# Altium PCB PCB1_done2.PcbDoc (part 1 of 3) (continued)
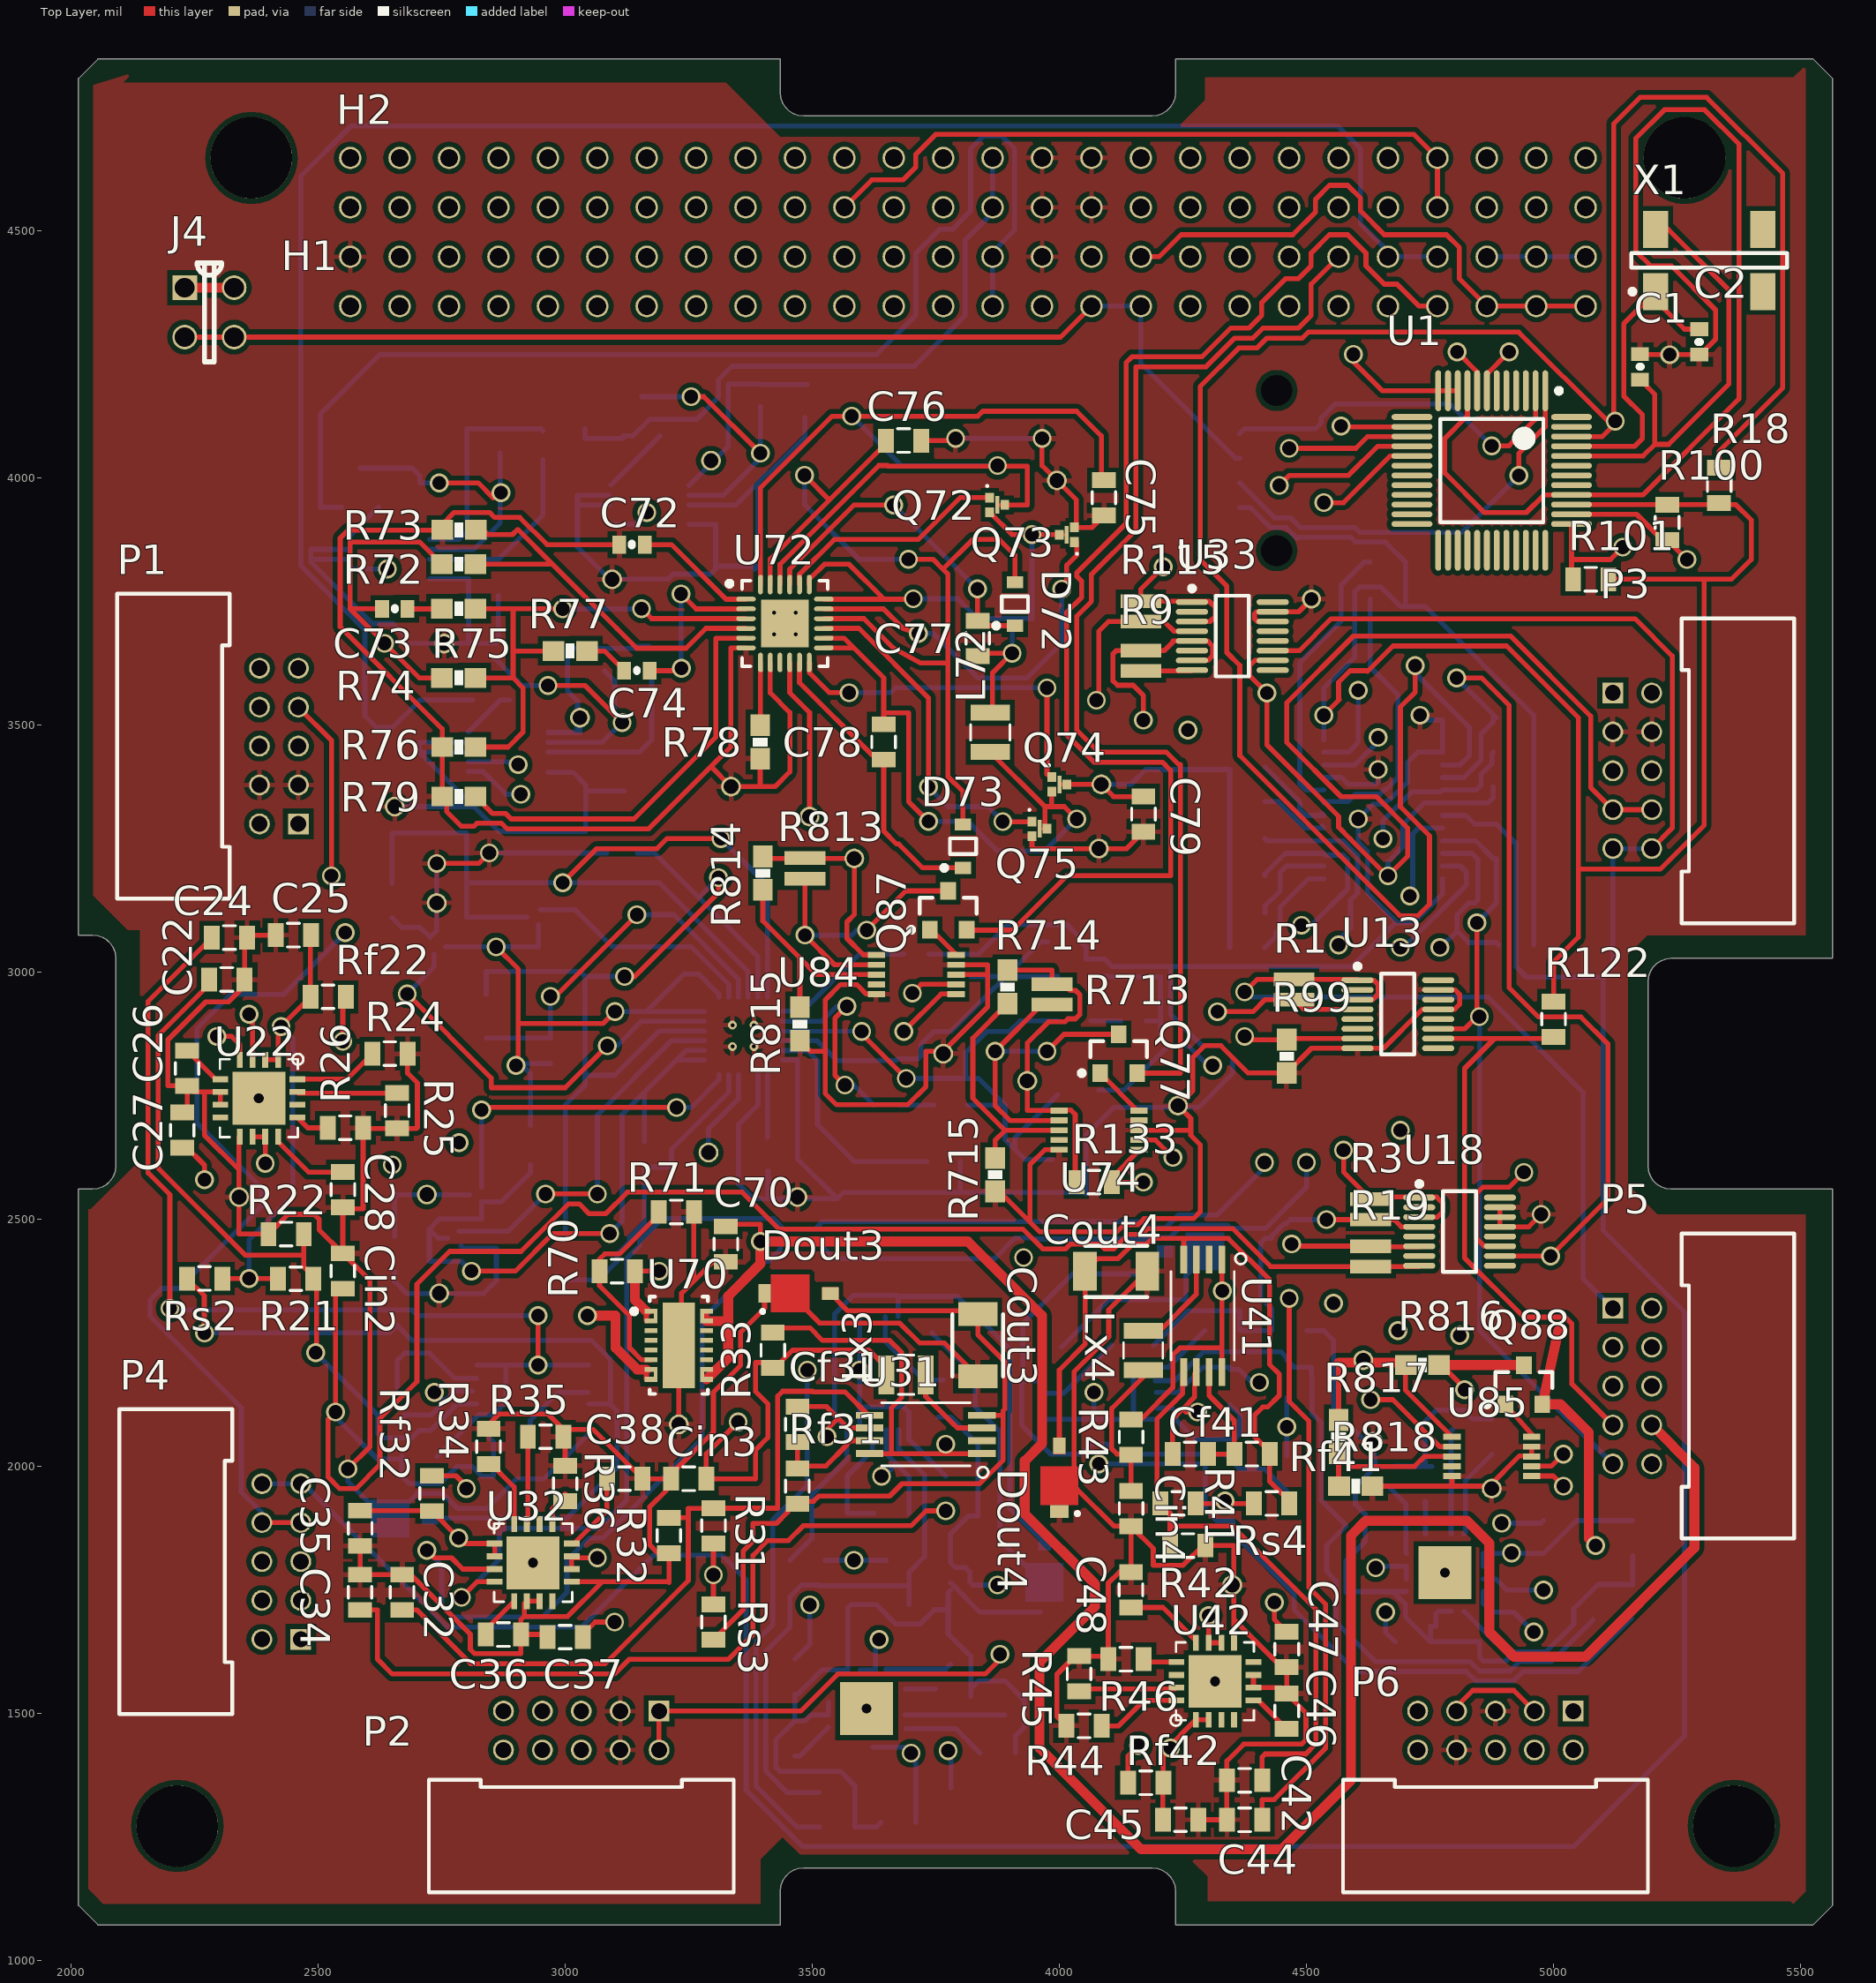
[diagram p0: Top Layer view]
## Classes and differential pairs (continued)
net class ARRAYY.6.VDD: ARRAYNX.5.VDD
net class ARRAYY.7.SDA: ARRAYNY.7.SDA
net class ARRAYY.8.SDA: ARRAYNY.7.SDA
net class ARRAYY.9.SCL: ARRAYNY.9.SCL
net class ARRAYY.10.SCL: ARRAYNY.9.SCL
net class ARRAYY: ARRAYNX.3.NEG ARRAYNX.5.VDD ARRAYNY.7.SDA ARRAYNY.9.SCL ARRAYY.1.POS
net class C1_Nets: ARRAYNX.3.NEG NetC1_2
net class C2_Nets: ARRAYNX.3.NEG NetC2_2
net class C12_Nets: ARRAYNX.3.NEG NetC12_1
net class C14_Nets: ARRAYNX.3.NEG NetC14_1
net class C15_Nets: ARRAYNX.3.NEG NetC15_1
net class C16_Nets: ARRAYNX.3.NEG NetC16_2
net class C17_Nets: ARRAYNX.3.NEG VCHRG
net class C18_Nets: ARRAYNX.3.NEG NetC18_1
net class C22_Nets: ARRAYNX.3.NEG NetC22_1
net class C24_Nets: ARRAYNX.3.NEG NetC24_1
net class C25_Nets: ARRAYNX.3.NEG NetC25_1
net class C26_Nets: ARRAYNX.3.NEG NetC26_2
net class C27_Nets: ARRAYNX.3.NEG VCHRG
net class C28_Nets: ARRAYNX.3.NEG NetC28_1
net class C32_Nets: ARRAYNX.3.NEG NetC32_1
net class C34_Nets: ARRAYNX.3.NEG NetC34_1
net class C35_Nets: ARRAYNX.3.NEG NetC35_1
net class C36_Nets: ARRAYNX.3.NEG NetC36_2
net class C37_Nets: ARRAYNX.3.NEG VCHRG
net class C38_Nets: ARRAYNX.3.NEG NetC38_1
net class C42_Nets: ARRAYNX.3.NEG NetC42_1
net class C44_Nets: ARRAYNX.3.NEG NetC44_1
net class C45_Nets: ARRAYNX.3.NEG NetC45_1
net class C46_Nets: ARRAYNX.3.NEG NetC46_2
net class C47_Nets: ARRAYNX.3.NEG VCHRG
net class C48_Nets: ARRAYNX.3.NEG NetC48_1
net class C52_Nets: ARRAYNX.3.NEG NetC52_1
net class C54_Nets: ARRAYNX.3.NEG NetC54_1
net class C55_Nets: ARRAYNX.3.NEG NetC55_1
net class C56_Nets: ARRAYNX.3.NEG NetC56_2
net class C57_Nets: ARRAYNX.3.NEG VCHRG
net class C58_Nets: ARRAYNX.3.NEG NetC58_1
net class C70_Nets: ARRAYNX.3.NEG ARRAYNZ.8.NC
net class C72_Nets: ARRAYNX.3.NEG NetC72_2
net class C73_Nets: 3V3 NetC73_2
net class C74_Nets: NetC74_1 NetC74_2
net class C75_Nets: ARRAYNX.3.NEG ARRAYNZ.10.COM
net class C76_Nets: ARRAYNX.3.NEG NetC76_1
net class C77_Nets: NetC77_1 NetC77_2
net class C78_Nets: NetC78_1 NetC78_2
net class C79_Nets: 3V3 ARRAYNX.3.NEG
net class C82_Nets: ARRAYNX.3.NEG NetC82_2
net class C83_Nets: 5V NetC83_2
net class C84_Nets: NetC84_1 NetC84_2
net class C85_Nets: ARRAYNX.3.NEG ARRAYNZ.10.COM
net class C86_Nets: ARRAYNX.3.NEG NetC86_1
net class C87_Nets: NetC87_1 NetC87_2
net class C88_Nets: NetC88_1 NetC88_2
net class C89_Nets: 5V ARRAYNX.3.NEG
net class Cf11_Nets: NetCf11_1 NetCf11_2
net class Cf21_Nets: NetCf21_1 NetCf21_2
net class Cf31_Nets: NetCf31_1 NetCf31_2
net class Cf41_Nets: NetCf41_1 NetCf41_2
net class Cf51_Nets: NetCf51_1 NetCf51_2
net class Cin1_Nets: ARRAYNX.3.NEG SOLARX
net class Cin2_Nets: ARRAYNX.3.NEG SOLARNX
net class Cin3_Nets: ARRAYNX.3.NEG SOLARY
net class Cin4_Nets: ARRAYNX.3.NEG SOLARNY
net class Cin5_Nets: ARRAYNX.3.NEG SOLARNZ
net class Cout1_Nets: ARRAYNX.3.NEG NetCout1_2
net class Cout2_Nets: ARRAYNX.3.NEG NetCout2_2
net class Cout3_Nets: ARRAYNX.3.NEG NetCout3_2
net class Cout4_Nets: ARRAYNX.3.NEG NetCout4_2
net class Cout5_Nets: ARRAYNX.3.NEG NetCout5_2
net class D72_Nets: NetC76_1 NetC77_1
net class D73_Nets: NetC76_1 NetC78_1
net class D82_Nets: NetC86_1 NetC87_1
net class D83_Nets: NetC86_1 NetC88_1
net class Dout1_Nets: ARRAYNX.3.NEG NetCout1_2
net class Dout2_Nets: ARRAYNX.3.NEG NetCout2_2
net class Dout3_Nets: ARRAYNX.3.NEG NetCout3_2
net class Dout4_Nets: ARRAYNX.3.NEG NetCout4_2
net class Dout5_Nets: ARRAYNX.3.NEG NetCout5_2
net class H1_Nets: 1V 3V3 5V ACS3.3V ARRAYNX.3.NEG "CTS MHX" "DSR MHX" "DTR MHX" FAULT FIPEX_3.3V FIPEX_5V IO0 IO1 IO2 IO3 IO4 IO5 IO6 IO7 IO8 IO9 IO10 IO11 IO12 IO13 IO14 IO15 IO16 IO17 IO18 IO19 IO20 IO21 NetH1_32 NetH1_41 NetH1_43 PA22 PA30 PA31 PB26 PTT SWITCHES.10.COM.COM WKUP
net class H2_Nets: 5V ACS_5V ARRAYNX.3.NEG ARRAYNZ.8.NC DIR-X DIR-Y DIR-Z IO24 IO25 IO26 IO28 IO29 IO30 IO31 IO32 IO33 IO34 IO35 IO38 IO40 IO41 IO42 IO43 IO44 IO45 IO46 IO47 PA0 PA1 PA2 PA3 PC11 PC16 PC17 PC18 PC19 PC20 PC21 PC22 PC23 PC24 PC25 PC26 PC27 PC28
net class L72_Nets: NetC77_2 NetC78_2
net class L82_Nets: NetC87_2 NetC88_2
net class Lx1_Nets: NetLx1_2 SOLARX
net class Lx2_Nets: NetLx2_2 SOLARNX
net class Lx3_Nets: NetLx3_2 SOLARY
net class Lx4_Nets: NetLx4_2 SOLARNY
net class Lx5_Nets: NetLx5_2 SOLARNZ
net class P1_Nets: ARRAYNX.3.NEG ARRAYNX.5.VDD ARRAYNX.7.SDA ARRAYNX.9.SCL ARRAYX.1.POS
net class P2_Nets: ARRAYNX.1.POS ARRAYNX.3.NEG ARRAYNX.5.VDD ARRAYNX.7.SDA ARRAYNX.9.SCL
net class P3_Nets: ARRAYNX.3.NEG ARRAYNX.5.VDD ARRAYNY.7.SDA ARRAYNY.9.SCL ARRAYY.1.POS
net class P4_Nets: ARRAYNX.5.VDD ARRAYNY.1.POS ARRAYNY.3.NEG ARRAYNY.7.SDA ARRAYNY.9.SCL
net class P5_Nets: ARRAYNX.5.VDD ARRAYNZ.1.POS ARRAYNZ.3.NEG ARRAYNZ.7.SDA ARRAYNZ.8.NC ARRAYNZ.9.SCL ARRAYNZ.10.COM NetP5_2 NetP5_4 NetP5_6
net class P6_Nets: 5V ANTENNA ARRAYNX.3.NEG FPXRTN SWITCHES.3.NC SWITCHES.6.NO SWITCHES.9.NO SWITCHES.10.COM.COM
net class Q72_Nets: ARRAYNZ.10.COM NetC77_2 NetQ72_1
net class Q73_Nets: ARRAYNX.3.NEG NetC77_2 NetQ73_1
net class Q74_Nets: 3V3 NetC78_2 NetQ74_1
net class Q75_Nets: ARRAYNX.3.NEG NetC78_2 NetQ75_1
net class Q76_Nets: ACS3.3V NetQ76_1 NetQ76_3
net class Q77_Nets: FIPEX_3.3V NetQ77_1 NetQ77_3
net class Q78_Nets: NetQ78_1 NetQ78_3 PTT
net class Q82_Nets: ARRAYNZ.10.COM NetC87_2 NetQ82_1
net class Q83_Nets: ARRAYNX.3.NEG NetC87_2 NetQ83_1
net class Q84_Nets: 5V NetC88_2 NetQ84_1
net class Q85_Nets: ARRAYNX.3.NEG NetC88_2 NetQ85_1
net class Q86_Nets: ACS_5V NetQ86_1 NetQ86_3
net class Q87_Nets: FIPEX_5V NetQ87_1 NetQ87_3
net class Q88_Nets: ANTENNA NetQ88_1 NetQ88_3
net class R1_Nets: ARRAYNZ.1.POS SOLARNZ
net class R3_Nets: ARRAYX.1.POS SOLARX
net class R9_Nets: ARRAYNY.1.POS NetR9_2
net class R11_Nets: NetC12_1 NetC15_1
net class R12_Nets: ARRAYNX.3.NEG NetC12_1
net class R13_Nets: NetC14_1 SOLARX
net class R14_Nets: ARRAYNX.3.NEG NetR14_1
net class R15_Nets: ARRAYNX.3.NEG NetR15_1
net class R16_Nets: ARRAYNX.3.NEG NetR16_1
net class R18_Nets: 3V3 RESET
net class R19_Nets: ARRAYNX.1.POS SOLARNX
net class R21_Nets: NetC22_1 NetC25_1
net class R22_Nets: ARRAYNX.3.NEG NetC22_1
net class R23_Nets: NetC24_1 SOLARNX
net class R24_Nets: ARRAYNX.3.NEG NetR24_1
net class R25_Nets: ARRAYNX.3.NEG NetR25_1
net class R26_Nets: ARRAYNX.3.NEG NetR26_1
net class R31_Nets: NetC32_1 NetC35_1
net class R32_Nets: ARRAYNX.3.NEG NetC32_1
net class R33_Nets: NetC34_1 SOLARY
net class R34_Nets: ARRAYNX.3.NEG NetR34_1
net class R35_Nets: ARRAYNX.3.NEG NetR35_1
net class R36_Nets: ARRAYNX.3.NEG NetR36_1
net class R41_Nets: NetC42_1 NetC45_1
net class R42_Nets: ARRAYNX.3.NEG NetC42_1
net class R43_Nets: NetC44_1 SOLARNY
net class R44_Nets: ARRAYNX.3.NEG NetR44_1
net class R45_Nets: ARRAYNX.3.NEG NetR45_1
net class R46_Nets: ARRAYNX.3.NEG NetR46_1
net class R51_Nets: NetC52_1 NetC55_1
net class R52_Nets: ARRAYNX.3.NEG NetC52_1
net class R53_Nets: NetC54_1 SOLARNZ
net class R54_Nets: ARRAYNX.3.NEG NetR54_1
net class R55_Nets: ARRAYNX.3.NEG NetR55_1
net class R56_Nets: ARRAYNX.3.NEG NetR56_1
net class R70_Nets: 5VEXT NetR70_1
net class R71_Nets: ARRAYNX.3.NEG NetR70_1
net class R72_Nets: 3V3 NetR72_1
net class R73_Nets: ARRAYNX.3.NEG NetR72_1
net class R74_Nets: 3V3 NetR74_1
net class R75_Nets: NetC73_2 NetR74_1
net class R76_Nets: ARRAYNX.3.NEG NetR74_1
net class R77_Nets: NetC74_1 NetR74_1
net class R78_Nets: ARRAYNX.3.NEG NetR78_2
net class R79_Nets: ARRAYNX.3.NEG NetR79_2
net class R82_Nets: 5V NetR82_1
net class R83_Nets: ARRAYNX.3.NEG NetR82_1
net class R84_Nets: 5V NetR84_1
net class R85_Nets: NetC83_2 NetR84_1
net class R86_Nets: ARRAYNX.3.NEG NetR84_1
net class R87_Nets: NetC84_1 NetR84_1
net class R88_Nets: ARRAYNX.3.NEG NetR88_2
net class R89_Nets: ARRAYNX.3.NEG NetR89_2
net class R99_Nets: ARRAYNX.3.NEG FPXRTN
net class R100_Nets: 3V3 SCA
net class R101_Nets: 3V3 SDA
net class R102_Nets: 3V3 ARRAYNX.7.SDA
net class R103_Nets: 3V3 ARRAYNX.9.SCL
net class R112_Nets: 3V3 ARRAYNY.7.SDA
net class R113_Nets: 3V3 ARRAYNY.9.SCL
net class R115_Nets: ARRAYY.1.POS SOLARY
net class R122_Nets: 3V3 ARRAYNZ.7.SDA
net class R123_Nets: 3V3 ARRAYNZ.9.SCL
net class R132_Nets: 3V3 SD3
net class R133_Nets: 3V3 SC3
net class R142_Nets: 3V3 SC4
net class R143_Nets: 3V3 SD4
net class R152_Nets: 3V3 SC5
net class R153_Nets: 3V3 SD5
net class R162_Nets: 3V3 SC6
net class R163_Nets: 3V3 SD6
net class R172_Nets: 3V3 SC7
net class R173_Nets: 3V3 SD7
net class R710_Nets: 3V3 NetQ76_3
net class R711_Nets: 3V3 NetR711_1
net class R712_Nets: ARRAYNX.3.NEG NetR711_1
net class R713_Nets: 3V3 NetQ77_3
net class R714_Nets: 3V3 NetR714_1
net class R715_Nets: ARRAYNX.3.NEG NetR714_1
net class R716_Nets: 3V3 NetQ78_3
net class R717_Nets: 3V3 NetR717_1
net class R718_Nets: ARRAYNX.3.NEG NetR717_1
net class R810_Nets: 5V NetQ86_3
net class R811_Nets: 5V NetR811_1
net class R812_Nets: ARRAYNX.3.NEG NetR811_1
net class R813_Nets: 5V NetQ87_3
net class R814_Nets: 5V NetR814_1
net class R815_Nets: ARRAYNX.3.NEG NetR814_1
net class R816_Nets: ARRAYNZ.10.COM NetQ88_3
net class R817_Nets: ARRAYNZ.10.COM NetR817_1
net class R818_Nets: ARRAYNX.3.NEG NetR817_1
net class Rf11_Nets: NetCf11_1 NetCout1_2
net class Rf12_Nets: NetC15_1 NetCf11_2
net class Rf21_Nets: NetCf21_1 NetCout2_2
net class Rf22_Nets: NetC25_1 NetCf21_2
net class Rf31_Nets: NetCf31_1 NetCout3_2
net class Rf32_Nets: NetC35_1 NetCf31_2
net class Rf41_Nets: NetCf41_1 NetCout4_2
net class Rf42_Nets: NetC45_1 NetCf41_2
net class Rf51_Nets: NetCf51_1 NetCout5_2
net class Rf52_Nets: NetC55_1 NetCf51_2
net class Rs1_Nets: NetC15_1 NetCout1_2
net class Rs2_Nets: NetC25_1 NetCout2_2
net class Rs3_Nets: NetC35_1 NetCout3_2
net class Rs4_Nets: NetC45_1 NetCout4_2
net class Rs5_Nets: NetC55_1 NetCout5_2
net class SWITCHES.1.COM: ANTENNA
net class SWITCHES.3.NC: SWITCHES.3.NC
net class SWITCHES.7.COM: SWITCHES.3.NC
net class SWITCHES.8.NC: ARRAYNX.3.NEG
net class SWITCHES.10.COM: SWITCHES.10.COM.COM
net class SWITCHES: ANTENNA ARRAYNX.3.NEG SWITCHES.2.COM SWITCHES.3.NC SWITCHES.4.NC SWITCHES.6.NO SWITCHES.8 SWITCHES.8.NC SWITCHES.9.NO SWITCHES.10 SWITCHES.10.COM
net class U1_Nets: 3V3 ARRAYNX.3.NEG NetC1_2 NetC2_2 NetU1_3 NetU1_4 NetU1_5 NetU1_6 NetU1_13 NetU1_20 NetU1_21 NetU1_22 NetU1_23 NetU1_24 NetU1_25 NetU1_26 NetU1_27 NetU1_28 NetU1_29 NetU1_30 NetU1_31 NetU1_32 NetU1_33 NetU1_34 NetU1_35 NetU1_36 NetU1_43 RESET RST SCA SDA ST1NX ST1NY ST1NZ ST1X ST1Y ST2NX ST2NY ST2NZ ST2X ST2Y STLINK-SWIM UART_RX UART_TX
net class U2_Nets: 3V3 ARRAYNX.3.NEG ARRAYNX.7.SDA ARRAYNX.9.SCL ARRAYNY.7.SDA ARRAYNY.9.SCL ARRAYNZ.7.SDA ARRAYNZ.9.SCL RESET SC3 SC4 SC5 SC6 SC7 SCA SD3 SD4 SD5 SD6 SD7 SDA
net class U11_Nets: NetC12_1 NetC14_1 NetCf11_1 NetCf11_2 NetCout1_2 NetLx1_2 NetU11_2
net class U12_Nets: ARRAYNX.3.NEG NetC15_1 NetC16_2 NetC18_1 NetR14_1 NetR15_1 NetR16_1 NetU12_8 NetU12_14 ST1X ST2X VCHRG
net class U13_Nets: ARRAYNX.3.NEG ARRAYNZ.1.POS ARRAYNZ.7.SDA ARRAYNZ.9.SCL FPXRTN NetU13_2 NetU13_5 NetU13_6 NetU13_9 NetU13_12 NetU13_14 NetU13_16 SOLARNZ
net class U18_Nets: ARRAYNX.1.POS ARRAYNX.3.NEG ARRAYNX.7.SDA ARRAYNX.9.SCL ARRAYX.1.POS NetU18_2 NetU18_5 NetU18_9 NetU18_12 NetU18_16 SOLARNX SOLARX
net class U21_Nets: NetC22_1 NetC24_1 NetCf21_1 NetCf21_2 NetCout2_2 NetLx2_2 NetU21_2
net class U22_Nets: ARRAYNX.3.NEG NetC25_1 NetC26_2 NetC28_1 NetR24_1 NetR25_1 NetR26_1 NetU22_8 NetU22_14 ST1NX ST2NX VCHRG
net class U31_Nets: NetC32_1 NetC34_1 NetCf31_1 NetCf31_2 NetCout3_2 NetLx3_2 NetU31_2
net class U32_Nets: ARRAYNX.3.NEG NetC35_1 NetC36_2 NetC38_1 NetR34_1 NetR35_1 NetR36_1 NetU32_8 NetU32_14 ST1Y ST2Y VCHRG
net class U33_Nets: ARRAYNX.3.NEG ARRAYNY.1.POS ARRAYNY.7.SDA ARRAYNY.9.SCL ARRAYY.1.POS NetR9_2 NetU33_2 NetU33_6 NetU33_9 NetU33_12 NetU33_13 NetU33_16 SOLARY
net class U41_Nets: NetC42_1 NetC44_1 NetCf41_1 NetCf41_2 NetCout4_2 NetLx4_2 NetU41_2
net class U42_Nets: ARRAYNX.3.NEG NetC45_1 NetC46_2 NetC48_1 NetR44_1 NetR45_1 NetR46_1 NetU42_3 NetU42_4 NetU42_8 NetU42_14 VCHRG
net class U51_Nets: NetC52_1 NetC54_1 NetCf51_1 NetCf51_2 NetCout5_2 NetLx5_2 NetU51_2
net class U52_Nets: ARRAYNX.3.NEG NetC55_1 NetC56_2 NetC58_1 NetR54_1 NetR55_1 NetR56_1 NetU52_3 NetU52_4 NetU52_8 NetU52_14 VCHRG
net class U70_Nets: 5VEXT ARRAYNX.3.NEG ARRAYNZ.8.NC NetR70_1 NetU70_3 NetU70_4 NetU70_5 NetU70_11 NetU70_12 NetU70_13 NetU70_14 VCHRG
net class U72_Nets: 3V3 ARRAYNX.3.NEG ARRAYNZ.10.COM NetC72_2 NetC74_2 NetC76_1 NetC77_1 NetC77_2 NetC78_1 NetC78_2 NetQ72_1 NetQ73_1 NetQ74_1 NetQ75_1 NetR72_1 NetR74_1 NetR78_2 NetR79_2 NetU72_9
net class U73_Nets: 3V3 ARRAYNX.3.NEG NetQ76_1 NetQ76_3 NetR711_1 NetU73_4 NetU73_6 SD3
net class U74_Nets: 3V3 ARRAYNX.3.NEG NetQ77_1 NetQ77_3 NetR714_1 NetU74_4 SC3 SD3
net class U75_Nets: 3V3 ARRAYNX.3.NEG NetQ78_1 NetQ78_3 NetR717_1 NetU75_4 SC3 SD3
net class U82_Nets: 5V ARRAYNX.3.NEG ARRAYNZ.10.COM NetC82_2 NetC84_2 NetC86_1 NetC87_1 NetC87_2 NetC88_1 NetC88_2 NetQ82_1 NetQ83_1 NetQ84_1 NetQ85_1 NetR82_1 NetR84_1 NetR88_2 NetR89_2 NetU82_9
net class U83_Nets: 5V ARRAYNX.3.NEG NetQ86_1 NetQ86_3 NetR811_1 NetU83_4 NetU83_7 SC5
net class U84_Nets: 5V ARRAYNX.3.NEG NetQ87_1 NetQ87_3 NetR814_1 NetU84_4 SC5 SD5
net class U85_Nets: ARRAYNX.3.NEG ARRAYNZ.10.COM NetQ88_1 NetQ88_3 NetR817_1 NetU85_4 SC5 SD5
net class X1_Nets: NetC1_2 NetC2_2

## Components (designator, comment, footprint, x,y, rotation, side; value= is the part's Value field where it differs from the comment)
C1 "6.8pF" 0402-CAP 5175,4225 r270 top
C2 "6.8pF" 0402-CAP 5295,4275 r90 top
C12 "1 nF" 0805 5080,1725 r90 bottom
C14 "1 nF" 0805 5160,1725 r90 bottom
C15 "47 uF" 0805 5160,1855 r270 bottom
C16 "10 nF" 0805 4845,1645 r0 bottom
C17 "4.7 uF" 0805 4715,1645 r0 bottom
C18 "1 nF" 0805 4635,1955 r180 bottom
C22 "1 nF" 0805 2315,2985 r0 top
C24 "1 nF" 0805 2320.43,3070 r0 top
C25 "47 uF" 0805 2450,3075 r180 top
C26 "10 nF" 0805 2235,2805 r90 top
C27 "4.7 uF" 0805 2225,2680 r90 top
C28 "1 nF" 0805 2550,2560 r270 top
C32 "1 nF" 0805 2670,1745 r90 top
C34 "1 nF" 0805 2585,1745 r90 top
C35 "47 uF" 0805 2585,1875 r270 top
C36 "10 nF" 0805 2875,1660 r180 top
C37 "4.7 uF" 0805 3000,1655 r180 top
C38 "1 nF" 0805 3120,1975 r0 top
C42 "1 nF" 0805 4375,1365 r180 top
C44 "1 nF" 0805 4375,1285 r180 top
C45 "47 uF" 0805 4245,1285 r0 top
C46 "10 nF" 0805 4460,1505 r270 top
C47 "4.7 uF" 0805 4460,1630 r270 top
C48 "1 nF" 0805 4145,1750 r90 top
C52 "1 nF" 0805 3545,1340 r0 bottom
C54 "1 nF" 0805 3550,1270 r0 bottom
C55 "47 uF" 0805 3675,1280 r180 bottom
C56 "10 nF" 0805 3465,1450 r270 bottom
C57 "4.7 uF" 0805 3465,1575 r270 bottom
C58 "1 nF" 0805 3775,1635 r90 bottom
C70 "4.7 uF" 0805 3325,2450 r270 top
C72 "1nF" 0402-CAP 3135,3865 r0 top
C73 "270pF" 0402-CAP 2655,3735 r0 top
C74 "1nF" 0402-CAP 3145,3610 r0 top
C75 "22uF" 0805 4090,3960 r270 top
C76 "4.7uF" 0805 3684.53,4075.47 r0 top
C77 "0.22uF" 0805 3834.53,3675.47 r270 top
C78 "0.22uF" 0805 3644.53,3465.47 r90 top
C79 "100uF" 0805 4170,3320 r270 top
C82 "1nF" 0402-CAP 3710.94,3036.54 r180 bottom
C83 "270pF" 0402-CAP 4150.16,2901.22 r180 bottom
C84 "1nF" 0402-CAP 3650.16,2731.22 r180 bottom
C85 "22uF" 0805 2650.94,3146.54 r270 bottom
C86 "4.7uF" 0805 3120.16,3241.22 r180 bottom
C87 "0.22uF" 0805 2970.16,2841.22 r270 bottom
C88 "0.22uF" 0805 3160.16,2631.22 r90 bottom
C89 "100uF" 0805 2655,2430 r270 bottom
Cf11 "1 uF" 0805 4345,2160 r90 bottom
Cf21 "1 uF" 0805 2660,2125 r270 bottom
Cf31 "1 uF" 0805 3470,2085 r90 top
Cf41 "1 uF" 0805 4265,2025 r180 top
Cf51 "1 uF" 0805 3660,1905 r0 bottom
Cin1 "10 uF" 0805 4465,2275 r0 bottom
Cin2 "10 uF" 0805 2550,2395 r90 top
Cin3 "10 uF" 0805 3250,1975 r180 top
Cin4 "10 uF" 0805 4145,1915 r270 top
Cin5 "10 uF" 0805 3780,1800 r270 bottom
Cout1 "15 uF" 1210 4005,2305 r90 bottom
Cout2 "15 uF" 1210 3050,2005 r270 bottom
Cout3 "15 uF" 1210 3835,2245 r90 top
Cout4 "15 uF" 1210 4115,2395 r180 top
Cout5 "15 uF" 1210 3805,2270 r0 bottom
D72 "NSVBAT54HT1G" ONSC-SOD-323-2-477-02_V 3910,3745 r90 top
D73 "NSVBAT54HT1G" ONSC-SOD-323-2-477-02_V 3805,3255 r90 top
D82 "NSVBAT54HT1G" ONSC-SOD-323-2-477-02_V 2840.16,2911.22 r90 bottom
D83 "NSVBAT54HT1G" ONSC-SOD-323-2-477-02_V 3000.16,2421.22 r90 bottom
Dout1 "Diode_Zener" STmite 4255,2435 r0 bottom
Dout2 "Diode_Zener" STmite 2685,1895 r180 bottom
Dout3 "Diode_Zener" STmite 3495,2350 r180 top
Dout4 "Diode_Zener" STmite 4000,2000 r270 top
Dout5 "Diode_Zener" STmite 3970,1805 r270 bottom
H1 "" SAMTEC_ESQ_126_39_G_D 2565,4347.6 r90 top
H2 "" SAMTEC_ESQ_126_39_G_D 2565,4547.6 r90 top
J3 "ERNI214017" ERNI2014017 4365,3940 r90 bottom
J4 "Connecter" Connecter 2230,4385 r0 top
L72 "4.7uH" 1007 3860,3485 r0 top
L82 "3.3uH" 1007 2930,2650 r180 bottom
Lx1 "10 uH" 1007 4145,2255 r90 bottom
Lx2 "10 uH" 1007 2890,2040 r270 bottom
Lx3 "10 uH" 1007 3690,2185 r90 top
Lx4 "10 uH" 1007 4170,2235 r180 top
Lx5 "10 uH" 1007 3755,2140 r0 bottom
P1 "T2M-105-01-L-D-RA" SMTC-T2M-105-01-X-D-RA 2460,3300 r90 top
P2 "T2M-105-01-L-D-RA" SMTC-T2M-105-01-X-D-RA 3190,1505 r180 top
P3 "T2M-105-01-L-D-RA" SMTC-T2M-105-01-X-D-RA 5120,3565 r270 top
P4 "T2M-105-01-L-D-RA" SMTC-T2M-105-01-X-D-RA 2465,1650 r90 top
P5 "T2M-105-01-L-D-RA" SMTC-T2M-105-01-X-D-RA 5120,2320 r270 top
P6 "T2M-105-01-L-D-RA" SMTC-T2M-105-01-X-D-RA 5040,1505 r180 top
Q72 "PMXB40UNEZ" NXP-SOT1215_M 3874.53,3945.47 r0 top
Q73 "PMXB40UNEZ" NXP-SOT1215_M 4015,3885 r180 top
Q74 "PMXB40UNEZ" NXP-SOT1215_M 4000,3380 r0 top
Q75 "PMXB40UNEZ" NXP-SOT1215_M 3960,3290 r0 top
Q76 "NTR4501NT1G" ONSC-SOT-23-3-318-08_V 2585,3980.47 r90 bottom
Q77 "NTR4501NT1G" ONSC-SOT-23-3-318-08_V 4120,2835 r90 top
Q78 "NTR4501NT1G" ONSC-SOT-23-3-318-08_V 2850,3590 r90 bottom
Q82 "PMXB40UNEZ" NXP-SOT1215_M 2930.16,3111.22 r180 bottom
Q83 "PMXB40UNEZ" NXP-SOT1215_M 2750.16,3051.22 r0 bottom
Q84 "PMXB40UNEZ" NXP-SOT1215_M 2815,2550 r180 bottom
Q85 "PMXB40UNEZ" NXP-SOT1215_M 2770.16,2461.22 r180 bottom
Q86 "NTR4501NT1G" ONSC-SOT-23-3-318-08_V 3155,4125 r90 bottom
Q87 "NTR4501NT1G" ONSC-SOT-23-3-318-08_V 3775,3125 r90 top
Q88 "NTR4501NT1G" ONSC-SOT-23-3-318-08_V 4940,2165 r90 top
R1 "0.51" RESC1220X06N 4475,2965 r270 top
R3 "0.51" RESC1220X06N 4630,2520 r270 top
R9 "0.51" RESC1220X06N 4165,3630 r270 top
R11 "1.5M" 0805 4470,2175 r270 bottom
R12 "560K" 0805 4580,1845 r90 bottom
R13 "0" 0805 4330,2275 r0 bottom
R14 "15K" 0805 4875,2060 r90 bottom
R15 "15K" 0805 4760,2075 r180 bottom
R16 "15K" 0805 4740,1965 r90 bottom
R18 "2.2K" 0805 5335,3985 r270 top
R19 "0.51" RESC1220X06N 4630,2425 r270 top
R21 "1.5M" 0805 2455,2380 r180 top
R22 "560K" 0805 2435,2470 r0 top
R23 "0" 0805 2700,2015 r180 bottom
R24 "15K" 0805 2645,2835 r0 top
R25 "15K" 0805 2660,2720 r270 top
R26 "15K" 0805 2555,2685 r0 top
R31 "1.5M" 0805 3300,1880 r270 top
R32 "560K" 0805 3210,1860 r90 top
R33 "0" 0805 3420,2235 r270 top
R34 "15K" 0805 2845,2040 r90 top
R35 "15K" 0805 2960,2060 r0 top
R36 "15K" 0805 3000,1965 r90 top
R41 "1.5M" 0805 4240,1925 r0 top
R42 "560K" 0805 4260,1840 r180 top
R43 "0" 0805 4145,2059.43 r270 top
R44 "15K" 0805 4050,1475 r180 top
R45 "15K" 0805 4040,1580 r90 top
R46 "15K" 0805 4135,1610 r180 top
R51 "1.5M" 0805 3685,1810 r180 bottom
R52 "560K" 0805 3660,1720 r0 bottom
R53 "0" 0805 3800,1975 r0 bottom
R54 "15K" 0805 3875,1420 r0 bottom
R55 "15K" 0805 3890,1530 r90 bottom
R56 "15K" 0805 3785,1540 r0 bottom
R70 "100K" 0805 3105,2395 r0 top
R71 "21.5K" 0805 3225,2515 r180 top
R72 "205k" 0603-RES 2784.53,3825.47 r180 top
R73 "121k" 0603-RES 2785,3895 r0 top
R74 "205k" 0603-RES 2784.53,3595.47 r180 top
R75 "1.3k" 0603-RES 2784.53,3735.47 r180 top
R76 "121k" 0603-RES 2784.53,3455.47 r0 top
R77 "12k" 0603-RES 3010,3650 r0 top
R78 "59k" 0603-RES 3394.53,3465.47 r90 top
R79 "42.2k" 0603-RES 2784.53,3355.47 r0 top
R82 "205k" 0603-RES 4030.16,2991.22 r0 bottom
R83 "66.5k" 0603-RES 4010.16,3061.22 r180 bottom
R84 "205k" 0603-RES 4045,2765 r0 bottom
R85 "1.3k" 0603-RES 4030.16,2901.22 r0 bottom
R86 "66.5k" 0603-RES 4020.16,2621.22 r180 bottom
R87 "12k" 0603-RES 3780.16,2731.22 r180 bottom
R88 "59k" 0603-RES 3410.16,2631.22 r90 bottom
R89 "42.2k" 0603-RES 3765.94,2616.54 r180 bottom
R99 "330" 0603-RES 4460,2830 r270 top
R100 "2.8K" 0805 5230,3910 r90 top
R101 "2.8K" 0805 5075,3795 r0 top
R102 "2.8K" 0805 4920,3515 r180 bottom
R103 "2.8K" 0805 4920,3445 r180 bottom
R112 "2.8K" 0805 4920,3370 r180 bottom
R113 "2.8K" 0805 4920,3300 r180 bottom
R115 "0.51" RESC1220X06N 4165,3730 r270 top
R122 "2.8K" 0805 5000,2905 r270 top
R123 "2.8K" 0805 4920,3230 r180 bottom
R132 "2.8K" 0805 4925,3055 r180 bottom
R133 "2.8K" 0805 4070,2575 r0 top
R142 "2.8K" 0805 4380,3120 r0 bottom
R143 "2.8K" 0805 4380,3050 r0 bottom
R152 "2.8K" 0805 4380,3265 r0 bottom
R153 "2.8K" 0805 4380,3195 r0 bottom
R162 "2.8K" 0805 4380,3410 r0 bottom
R163 "2.8K" 0805 4380,3340 r0 bottom
R172 "2.8K" 0805 4665,3830 r180 bottom
R173 "2.8K" 0805 4665,3740 r180 bottom
R710 "0.24" RESC1220X06N 2865,4075 r90 bottom
R711 "10k" 0603-RES 2955,4070.47 r90 bottom
R712 "15k" 0603-RES 2865,3795.47 r90 bottom
R713 "0.24" RESC1220X06N 3985,2955 r90 top
R714 "10k" 0603-RES 3895,2970 r90 top
R715 "15k" 0603-RES 3870,2590 r90 top
R716 "0.24" RESC1220X06N 3080,3630 r90 bottom
R717 "10k" 0603-RES 3170,3625 r90 bottom
R718 "15k" 0603-RES 3120,3400 r90 bottom
R810 "0.24" RESC1220X06N 3395,4165 r90 bottom
R811 "10k" 0603-RES 3490,4155 r90 bottom
R812 "17k" 0603-RES 3390,3855 r90 bottom
R813 "0.24" RESC1220X06N 3485,3210 r90 top
R814 "10k" 0603-RES 3400,3200 r90 top
R815 "17k" 0603-RES 3475,2895 r90 top
R816 "0603" 0603-RES 4735,2205 r180 top
R817 "10k" 0603-RES 4565,2060 r90 top
R818 "17k" 0603-RES 4600,1960 r180 top
Rf11 "1K" 0805 4365,2030 r90 bottom
Rf12 "1K" 0805 4980,1855 r90 bottom
Rf21 "1K" 0805 2660,2250 r270 bottom
Rf22 "1K" 0805 2520,2950 r0 top
Rf31 "1K" 0805 3470,1960 r90 top
Rf32 "1K" 0805 2730,1945 r90 top
Rf41 "1K" 0805 4390,2025 r180 top
Rf42 "1K" 0805 4175,1360 r180 top
Rf51 "1K" 0805 3535,1905 r0 bottom
Rf52 "1K" 0805 3745,1350 r0 bottom
Rs1 "0.01" 0805 4460,1985 r90 bottom
Rs2 "0.01" 0805 2270,2380 r0 top
Rs3 "0.01" 0805 3300,1685 r90 top
Rs4 "0.01" 0805 4430,1925 r180 top
Rs5 "0.01" 0805 3490,1810 r0 bottom
U1 "STM8L152C6T6" LQFP48_M 4875,4015 r270 top
U2 "PCA9547D_112" TSOP65P640X110-24N 4655,3330 r180 bottom
U11 "SPV1040" TSSOP8 4080,2135 r0 bottom
U12 "L6924D013TR" VQFN16_AP 4780,1785 r180 bottom
U13 "LTC2991IMS#PBF" LT-MS-16_N 4685,2915 r0 top
U18 "LTC2991IMS#PBF" LT-MS-16_N 4810,2475 r0 top
U21 "SPV1040" TSSOP8 2935,2165 r180 bottom
U22 "L6924D013TR" VQFN16_AP 2380,2745 r270 top
U31 "SPV1040" TSSOP8 3730,2065 r180 top
U32 "L6924D013TR" VQFN16_AP 2935,1805 r0 top
U33 "LTC2991IMS#PBF" LT-MS-16_N 4350,3680 r0 top
U41 "SPV1040" TSSOP8 4290,2305 r270 top
U42 "L6924D013TR" VQFN16_AP 4315,1565 r90 top
U51 "SPV1040" TSSOP8 3635,2190 r270 bottom
U52 "L6924D013TR" VQFN16_AP 3610,1510 r90 bottom
U70 "LTC4415IDHC#PBF" LT-DHC-16_A_V 3230,2245 r0 top
U72 "LTC3785IUF#PBF" LT-UF-24_M 3444.53,3705.47 r0 top
U73 "ADM1176" MSOP-10 2645,3835.47 r180 bottom
U74 "ADM1176" MSOP-10 4080,2680 r0 top
U75 "ADM1176" MSOP-10 2885,3445 r180 bottom
U82 "LTC3785IUF#PBF" LT-UF-24_M 3360.16,2871.22 r180 bottom
U83 "ADM1176" MSOP-10 3170,3945 r180 bottom
U84 "ADM1176" MSOP-10 3710,2995 r0 top
U85 "ADM1176" MSOP-10 4875,2020 r0 top
X1 "XTAL_32MHz" SOJ550P350X254-4M 5315,4440 r90 top

## Footprints (in the part's own frame and the unit in brackets; to place one, negate y for a bottom-side part, rotate by r counter-clockwise, add the part's x,y. Pads: shape width x height; smd on the part's side, far side on the other; paste and mask are expansions set on the pad)
0402-CAP [mil]
  rect 28x36 smd: 1(-25.59,0) 2(26,0)
  silkscreen extent 0,-1 0,2
0603-RES [mil]
  rect 44x40 smd: 1(-33.46,0) 2(34,0)
  silkscreen extent -9,-15 9,15
0805 [mil]
  rect 32x48 smd: 1(-35.43,0) 2(36,0)
  silkscreen extent -12,-24 12,24
1007 [mil]
  rect 79x32 smd: 1(0,40) 2(0,-39.37)
  silkscreen extent -39,-16 40,16
1210 [mil]
  rect 48x79 smd: 1(-62.99,0) 2(63,0)
  silkscreen extent -63,-51 63,52
Connecter [mil]
  rect 50x50 hole 40: 1(0,0)
  round 50 hole 40: 2(0,-100) 3(100,-100) 4(100,0)
  silkscreen extent 25,-150 75,50
ERNI2014017 [mm]
  round 1.524 hole 1.6 unplated: 0(-2.21,1.9) 0(6.02,1.9)
  rect 0.8x1.1 smd: 1(3.81,0)
  oval 0.8x1.1 smd: 2(2.54,0) 3(1.27,0) 4(0,0)
  rect 1.2x2.4 smd: GND(-2.51,-0.65) GND(-2.51,4.35) GND(6.32,-0.65) GND(6.32,4.35)
LQFP48_M [mm] "Thin QFP, 48-Leads, Body 7x7mm, Pitch 0.5mm, IPC Low Density"
  oval 2.1x0.3 smd: 1(-4.1,2.75) 2(-4.1,2.25) 3(-4.1,1.75) 4(-4.1,1.25) 5(-4.1,0.75) 6(-4.1,0.25) 7(-4.1,-0.25) 8(-4.1,-0.75) 9(-4.1,-1.25) 10(-4.1,-1.75) 11(-4.1,-2.25) 12(-4.1,-2.75) 25(4.1,-2.75) 26(4.1,-2.25) 27(4.1,-1.75) 28(4.1,-1.25) 29(4.1,-0.75) 30(4.1,-0.25) 31(4.1,0.25) 32(4.1,0.75) 33(4.1,1.25) 34(4.1,1.75) 35(4.1,2.25) 36(4.1,2.75)
  oval 0.3x2.1 smd: 13(-2.75,-4.1) 14(-2.25,-4.1) 15(-1.75,-4.1) 16(-1.25,-4.1) 17(-0.75,-4.1) 18(-0.25,-4.1) 19(0.25,-4.1) 20(0.75,-4.1) 21(1.25,-4.1) 22(1.75,-4.1) 23(2.25,-4.1) 24(2.75,-4.1) 37(2.75,4.1) 38(2.25,4.1) 39(1.75,4.1) 40(1.25,4.1) 41(0.75,4.1) 42(0.25,4.1) 43(-0.25,4.1) 44(-0.75,4.1) 45(-1.25,4.1) 46(-1.75,4.1) 47(-2.25,4.1) 48(-2.75,4.1)
  silkscreen extent -4.22,-2.65 2.65,3.57, body extent -3.5,-3.5 3.5,3.5, height 1.6
LT-DHC-16_A_V [mm] "DHC-16_A, 16-Leads, Body 5x3mm, Pitch 0.5mm, Thermal Pad 4.4x1.65mm"
  rect 0.65x0.25 smd: 1(-1.425,1.75) 2(-1.425,1.25) 3(-1.425,0.75) 4(-1.425,0.25) 5(-1.425,-0.25) 6(-1.425,-0.75) 7(-1.425,-1.25) 8(-1.425,-1.75) 9(1.425,-1.75) 10(1.425,-1.25) 11(1.425,-0.75) 12(1.425,-0.25) 13(1.425,0.25) 14(1.425,0.75) 15(1.425,1.25) 16(1.425,1.75)
  rect 1.65x4.4 smd: 17(0,0)
  rect 0.19x0.75 smd: ""(-1.195,-1.5) ""(-1.195,1.5) ""(1.195,-1.5) ""(1.195,1.5)
  silkscreen extent -2.42,-2.5 1.5,2.5, body extent -1.5,-2.5 1.5,2.5, height 0.8
LT-MS-16_N [mm] "SOP, 16-Leads, Body 4.1x3.1mm, Pitch 0.5mm, IPC Medium Density"
  oval 1.65x0.3 smd: 1(-2.075,1.75) 2(-2.075,1.25) 3(-2.075,0.75) 4(-2.075,0.25) 5(-2.075,-0.25) 6(-2.075,-0.75) 7(-2.075,-1.25) 8(-2.075,-1.75) 9(2.075,-1.75) 10(2.075,-1.25) 11(2.075,-0.75) 12(2.075,-0.25) 13(2.075,0.25) 14(2.075,0.75) 15(2.075,1.25) 16(2.075,1.75)
  silkscreen extent -2.2,-2.08 0.85,2.57, body extent -1.55,-2.05 1.55,2.05, height 1.1
LT-UF-24_M [mm] "QFN, 24-Leads, Body 4.1x4.1mm, Pitch 0.5mm, Thermal Pad 2.45x2.45mm, IPC Low Density"
  oval 1x0.25 smd: 1(-2,1.25) 2(-2,0.75) 3(-2,0.25) 4(-2,-0.25) 5(-2,-0.75) 6(-2,-1.25) 13(2,-1.25) 14(2,-0.75) 15(2,-0.25) 16(2,0.25) 17(2,0.75) 18(2,1.25)
  oval 0.25x1 smd: 7(-1.25,-2) 8(-0.75,-2) 9(-0.25,-2) 10(0.25,-2) 11(0.75,-2) 12(1.25,-2) 19(1.25,2) 20(0.75,2) 21(0.25,2) 22(-0.25,2) 23(-0.75,2) 24(-1.25,2)
  rect 2.45x2.45 smd: 25(0,0)
  silkscreen extent -2.97,-2.2 2.2,2.2, body extent -2.05,-2.05 2.05,2.05, height 0.8
MSOP-10 [mil]
  rect 35x12 smd: 1(-80.5,40) 2(-80.5,20) 3(-80.5,0) 4(-80.5,-19.68) 5(-80.5,-39.37) 6(81,-39.37) 7(81,-19.68) 8(81,0) 9(81,20) 10(81,40)
NXP-SOT1215_M [mm] "SON, 3-Leads, Body 1.15x1.05mm, Pitch 0.75mm, Thermal Pad 0.91x0.2mm, IPC Low Density"
  rect 0.45x0.5 smd: 1(-0.394,0.375) 2(-0.394,-0.375) 3(0.383,0)
  rect 0.2x0.91 smd: 4(0,0)
  silkscreen extent -0.57,0.93 -0.48,1.02, body extent -0.53,-0.58 0.53,0.58, height 0.4
ONSC-SOD-323-2-477-02_V [mm] "SOD, 2-Leads, Body 1.7x1.25mm"
  rect 0.63x0.83 smd: 1(-1.115,0) 2(1.115,0)
  silkscreen extent -1.24,-0.67 0.4,1.09, body extent -0.85,-0.63 0.85,0.63, height 1.06
ONSC-SOT-23-3-318-08_V [mm] "SOT23, 3-Leads, Body 2.92x1.3mm, Pitch 0.95mm"
  rect 0.9x0.8 smd: 1(-1,0.95) 2(-1,-0.95) 3(1,0)
  silkscreen extent -1.12,-1.46 0.65,2.03, body extent -0.65,-1.46 0.65,1.46, height 1.11
RESC1220X06N [mm] "Chip Resistor, 2-Leads, Body 1.20x2.00mm, IPC Medium Density"
  rect 0.7x2.1 smd: 1(-0.525,0) 2(0.525,0)
  body extent -0.65,-1.05 0.65,1.05, height 0.55
SAMTEC_ESQ_126_39_G_D [mm]
  round 1.154 hole 0.9: 1(0,0) 2(2.54,0) 3(0,-2.54) 4(2.54,-2.54) 5(0,-5.08) 6(2.54,-5.08) 7(0,-7.62) 8(2.54,-7.62) 9(0,-10.16) 10(2.54,-10.16) 11(0,-12.7) 12(2.54,-12.7) 13(0,-15.24) 14(2.54,-15.24) 15(0,-17.78) 16(2.54,-17.78) 17(0,-20.32) 18(2.54,-20.32) 19(0,-22.86) 20(2.54,-22.86) 21(0,-25.4) 22(2.54,-25.4) 23(0,-27.94) 24(2.54,-27.94) 25(0,-30.48) 26(2.54,-30.48) 27(0,-33.02) 28(2.54,-33.02) 29(0,-35.56) 30(2.54,-35.56) 31(0,-38.1) 32(2.54,-38.1) 33(0,-40.64) 34(2.54,-40.64) 35(0,-43.18) 36(2.54,-43.18) 37(0,-45.72) 38(2.54,-45.72) 39(0,-48.26) 40(2.54,-48.26) 41(0,-50.8) 42(2.54,-50.8) 43(0,-53.34) 44(2.54,-53.34) 45(0,-55.88) 46(2.54,-55.88) 47(0,-58.42) 48(2.54,-58.42) 49(0,-60.96) 50(2.54,-60.96) 51(0,-63.5) 52(2.54,-63.5)
SMTC-T2M-105-01-X-D-RA [mm] "Shrouded Terminal Strip, 2x5 Pins, Right Angle, 2mm Pitch, Male"
  rect 1.067x1.067 hole 0.813: 1(0,0)
  round 1.067 hole 0.813: 2(0,2) 3(2,0) 4(2,2) 5(4,0) 6(4,2) 7(6,0) 8(6,2) 9(8,0) 10(8,2)
  silkscreen extent -3.84,3.53 11.84,9.32, body extent -3.84,-0.25 11.84,9.32, height 7.44
SOJ550P350X254-4M [mm] "SOJ, 4-Leads, Body 8.00x3.55mm, Pitch 5.50mm, IPC Low Density"
  rect 1.9x1.3 smd: 1(-1.6,2.75) 2(-1.6,-2.75) 3(1.6,-2.75) 4(1.6,2.75)
  silkscreen extent -1.72,-4 0.38,4.07, body extent -1.6,-4 1.6,4, height 2.54
STmite [mm]
  rect 0.85x0.65 smd: 1(-1.055,0)
  rect 0.65x0.95 smd: 2(2.325,0)
  Top Layer region: 0,0.975 2,0.975 2,-0.975 0,-0.975
  Top Layer region: -1.475,0.325 -0.625,0.325 -0.625,-0.325 -1.475,-0.325
  silkscreen extent 2.38,0.88 2.47,0.97
TSOP65P640X110-24N [mm] "TSOP, 24-Leads, Body 7.80x4.40mm, Pitch 0.65mm, IPC Medium Density"
  rect 1.7x0.35 smd: 1(-3.05,3.575) 2(-3.05,2.925) 3(-3.05,2.275) 4(-3.05,1.625) 5(-3.05,0.975) 6(-3.05,0.325) 7(-3.05,-0.325) 8(-3.05,-0.975) 9(-3.05,-1.625) 10(-3.05,-2.275) 11(-3.05,-2.925) 12(-3.05,-3.575) 13(3.05,-3.575) 14(3.05,-2.925) 15(3.05,-2.275) 16(3.05,-1.625) 17(3.05,-0.975) 18(3.05,-0.325) 19(3.05,0.325) 20(3.05,0.975) 21(3.05,1.625) 22(3.05,2.275) 23(3.05,2.925) 24(3.05,3.575)
  silkscreen extent -3.17,-3.95 1.8,4.42, body extent -2.25,-3.95 2.25,3.95, height 1.1
TSSOP8 [mil]
  rect 56x14 smd: 1(-113.19,39) 2(-113.19,13) 3(-113.19,-12.8) 4(-113.19,-38.39) 5(114,-38.39) 6(114,-12.8) 7(114,13) 8(114,39)
  silkscreen extent -126,-64 90,88
VQFN16_AP [mil]
  rect 32x12 smd: 1(-77.76,39) 2(-77.76,13) 3(-77.76,-12.8) 4(-77.76,-38.39) 9(78,-38.39) 10(78,-12.8) 11(78,13) 12(78,39)
  rect 12x32 smd: 5(-38.39,-77.76) 6(-12.8,-77.76) 7(13,-77.76) 8(39,-77.76) 13(39,78) 14(13,78) 15(-12.8,78) 16(-38.39,78)
  rect 107x107 hole 20: EP@5(0,0)
  silkscreen extent -90,-79 79,90

## Part data
C1 C2: library part CAP0402-6_8pF
C12 C14 C18 C22 C24 C28 C32 C34 C38 C42 C44 C48 C52 C54 C58: library part CAP0805_1nF
C15 C25 C35 C45 C55: library part CAP0805_47000nF
C16 C26 C36 C46 C56: library part CAP0805_10nF
C17 C27 C37 C47 C57 C70: library part CAP0805_4700nF
C72 C73 C74 C82 C83 C84: library part CAP0402-CAP
C75 C76 C77 C78 C79 C85 C86 C87 C88 C89: library part CAP0805
Cf11 Cf21 Cf31 Cf41 Cf51: library part CAP0805_1uF
Cin1 Cin2 Cin3 Cin4 Cin5: library part CAP0805_10uF
Cout1 Cout2 Cout3 Cout4 Cout5: library part CAP0805_15uF
D72 D73 D82 D83: library part CMP-1055-00464-1, "Schottky Barrier Diode, 2-Pin SOD-323, Pb-Free, Tape and Reel"
H1 H2: library part SAMTEC_ESQ_126_39_G_D, "26X2 header"
L72 L82 Lx1 Lx2 Lx3 Lx4 Lx5: library part INDUCTOR1007
P1 P2 P3 P4 P5 P6: library part CMP-1029-00150-1, "High Reliability Cable Header, Through-hole, Right Angle, -55 to 125 degC, 2 mm Pitch, 10-Pin, Male, RoHS"
Q72 Q73 Q74 Q75 Q82 Q83 Q84 Q85: library part CMP-1258-00046-1, "N-Channel Trench MOSFET, 12 V, 3.2 A, -55 to 150 degC, 4-Pin SOT1215"
Q76 Q77 Q78 Q86 Q87 Q88: library part CMP-1058-00732-1, "Power MOSFET, 20 V, 3.2 A, Single N-Channel, 3-Pin SOT-23, Pb-Free, Tape and Reel"
R1 R3 R9 R19 R115: library part RESISTOR, "<b>Resistor</b> / Basic schematic elements and footprints for 0603, 1206, and PTH resistors."
R11 R21 R31 R41 R51: library part RES_0805_1500K
R12 R22 R32 R42 R52: library part RES_0805_560K
R13 R23 R33 R43 R53: library part RES_0805_0
R14 R15 R16 R24 R25 R26 R34 R35 R36 R44 R45 R46 R54 R55 R56: library part RES_0805_15K
R18: library part RES_0805_2k2
R70: library part RES_0805_100K
R71: library part RES_0805_21_5K
R72 R73 R74 R75 R76 R77 R78 R79 R82 R83 R84 R85 R86 R87 R88 R89 R710 R711 R712 R713 R714 R715 R716 R717 R718 R810 R811 R812 R813 R814 R815 R817 R818: library part RESISTOR0603-RES
R99: library part RESISTOR0805-RES_333
R100 R101 R102 R103 R112 R113 R122 R123 R132 R133 R142 R143 R152 R153 R162 R163 R172 R173: library part RES_0805_2k8
R816: library part RESISTOR0603-RES, "=Value"
Rf11 Rf12 Rf21 Rf22 Rf31 Rf32 Rf41 Rf42 Rf51 Rf52: library part RES_0805_1K
Rs1 Rs2 Rs3 Rs4 Rs5: library part RES_0805_01
U1: library part CMP-0235-00048-1, "STM8L ARM-based EnergyLite 8-bit MCU, LCD, 32 kB Flash, 2 kB Internal RAM, -40 to +85°C Temperature, 48-pin LQFP, Tray"
U12 U22 U32 U42 U52: "IC BATT CHRGR ION/POLY 16-VFQFPN"
U13 U18 U33: library part CMP-0482-00817-1, "Octal I2C Voltage, Current, and Temperature Monitor, 16-pin SOP (MS-16), -40 to 85 degC, Pb-Free"
U70: library part CMP-0479-00074-1, "Dual 4 A Ideal Diode with Adjustable Current Limit, Imon Output, Overcurrent Warning, Thermal Warning, 1.7 to 5.5 V Vin, 16-pin DFN (DHC-16_A), -40 to 125 degC, Pb-Free"
U72 U82: library part CMP-0492-02264-1, "High Efficiency, Synchronous, No Rsense Buck-Boost Controller, 24-pin QFN (UF24), -40 to 125 degC, Pb-Free"

## Free pads (board coordinates)
  round 40 hole 30: 0(3230,2085) 0(3290,2635) 0(3295,4035) 0(4080,3250) 1(3335.47,3375.47) 1(3470,2545) 1(3585,3230) 1(3935,2780) 1(3995,3995) 2(2740,3140) 2(4085,3380) 3(2745,2350) 3(3095,3795) 3(3494.53,3315) 4(2755,3665) 4(3030,3515) 4(3765,2835) 5(2340,2545) 5(4240,2730) 6(2655,3335) 7(4635,2050) 8(2720,2550) 9(4350,1760) 13(4875,1955) 14(4615,2215)
  round 165.35 hole 165.35: 1(2215,1272.4) 1(2365,4647.6) 1(5265,4647.6) 1(5365,1272.4)
  round 19.68 hole 19.68: 1(2565,4347.6) 1(2565,4547.6)

## Via types
v1: diameter 38, hole 28, Top Layer to Bottom Layer, 183 vias
v2: diameter 17.87, hole 7.87, Top Layer to Bottom Layer, 8 vias
v3: diameter 38, hole 28, Top Layer to Bottom Layer, tented bottom, 1 vias